# Altium PCB Inverter_540VDC_V2.PcbDoc (part 2 of 3)
Units mm, origin at the board's own origin, x right, y up, seen from the top; angles counter-clockwise.
Board outline 420 x 300 mm, 2 copper layers (Top Layer, Bottom Layer), stack 2.071 mm thick; 433 components, 189 nets, 1065 pads, 944 vias.
Unrouted connection lines stored in the file: 97.
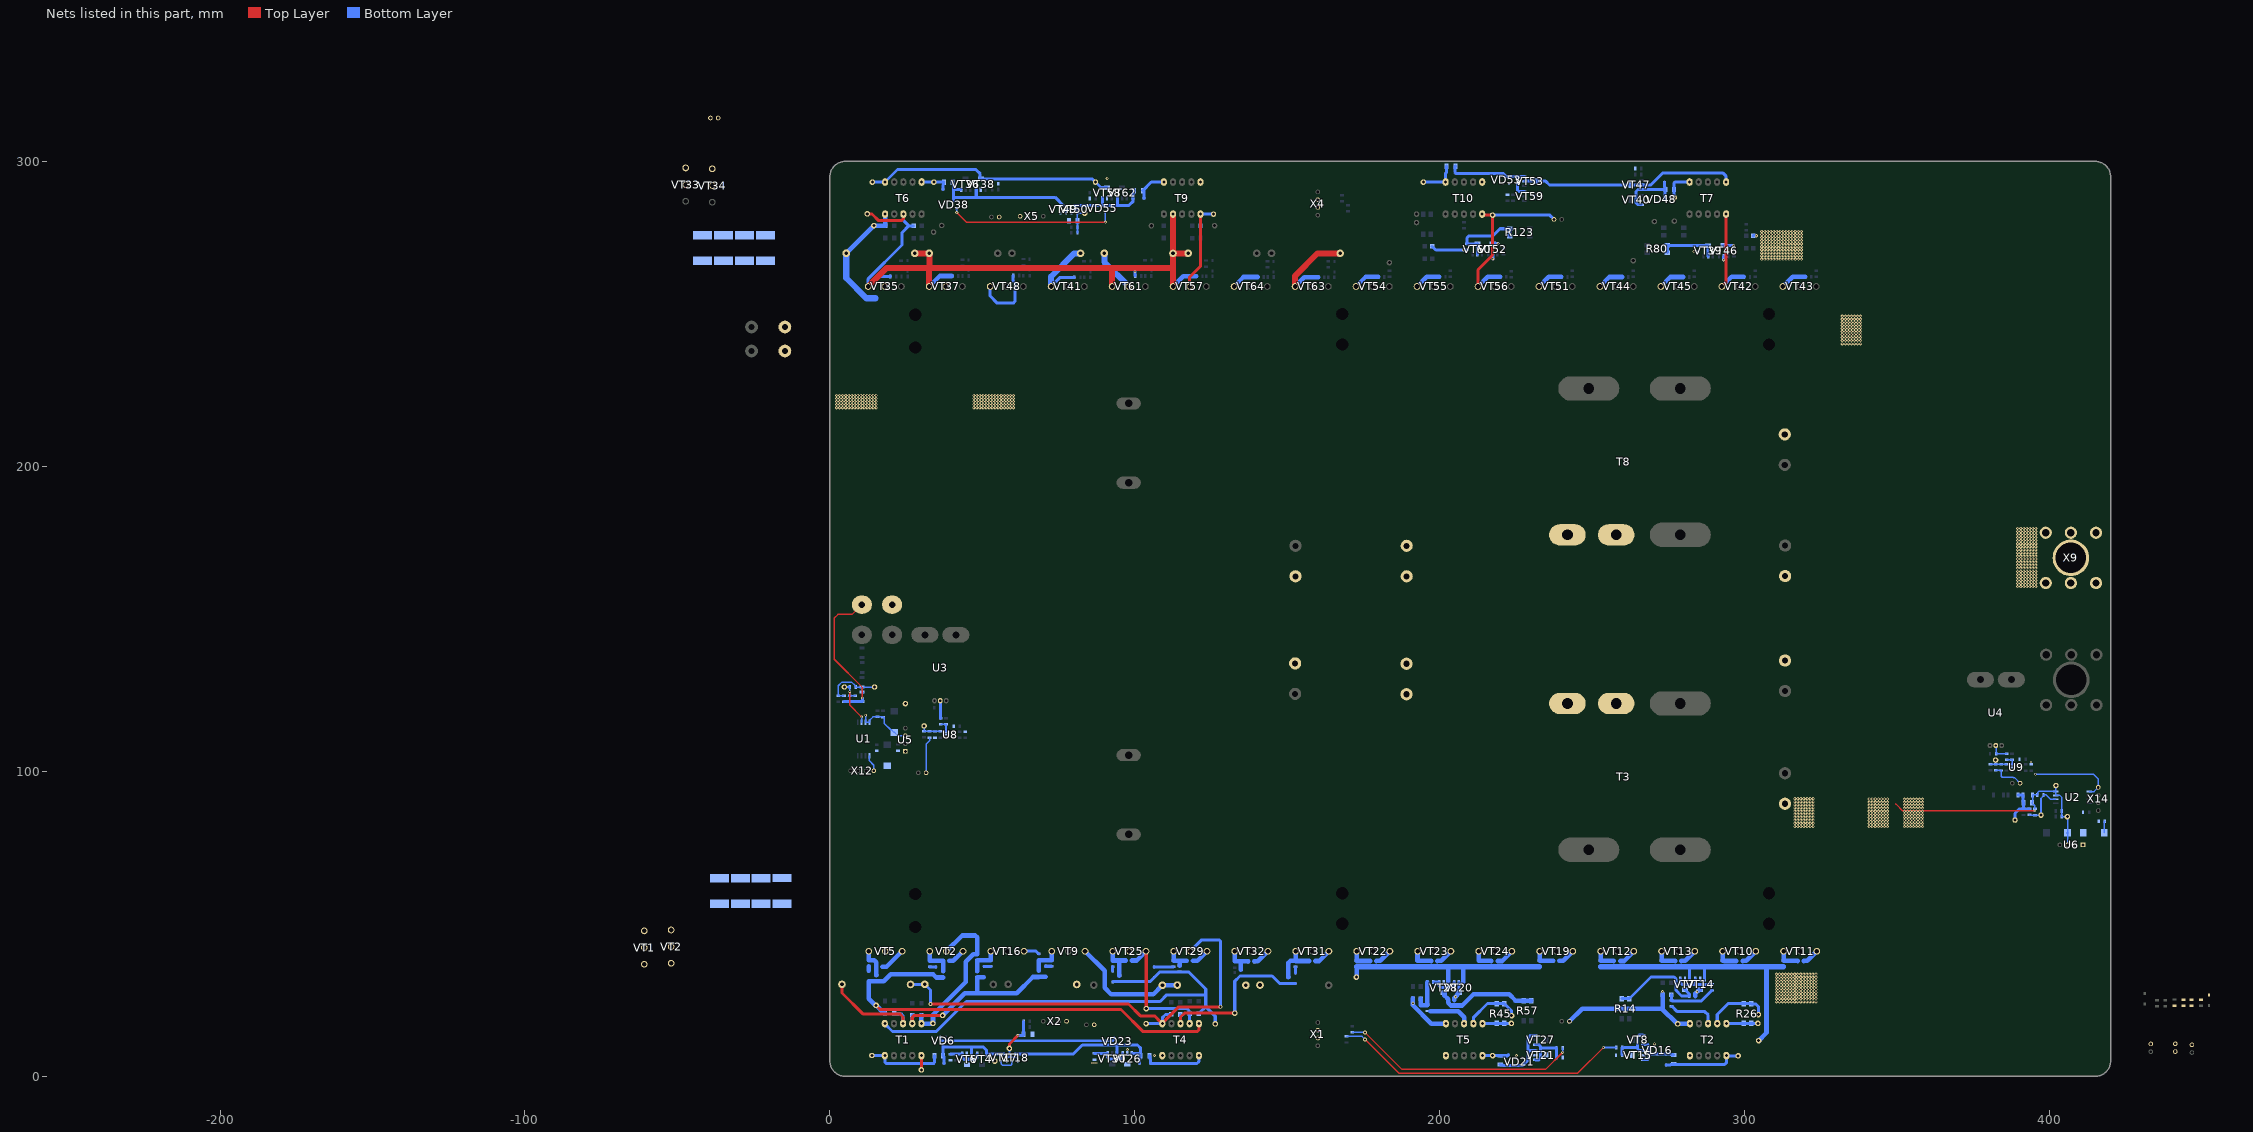
[diagram p2: the nets of this part, all layers, seen from the top]

## Via types
v1: diameter 1, hole 0.5, Top Layer to Bottom Layer, 869 vias
v2: diameter 1.8, hole 1, Top Layer to Bottom Layer, 41 vias
v3: diameter 1.27, hole 0.711, Top Layer to Bottom Layer, 18 vias
v4: diameter 0.8, hole 0.3, Top Layer to Bottom Layer, 10 vias
v5: diameter 0.7, hole 0.3, Top Layer to Bottom Layer, 5 vias
v6: diameter 0.8, hole 0.711, Top Layer to Bottom Layer, 1 vias

## Nets (pads, with @x,y where several pads share a name; then routed paths per layer and width w, separated by ;. In a path a pad name is that pad's centre, name@x,y a point inside that pad or via, vN(x,y) a via of type N, cw(c..) or ccw(c..) an arc to the next point about the centre after c; other vN are vias at no path point) (continued)
BAT_GND: C3.2 C4.2 C6.1 C15.1 C20.2 C21.2 C23.1 C32.1 C40.1 C42.2 C48.2 C60.1 C61.1 R30.1 R31.1 R32.1 R33.1 R37.2 R38.2 R39.2 R40.1 R96.1 R97.1 R98.1 R99.1 R103.2 R104.2 R105.2 R106.1 R149.1 R153.1 T2.5 T5.5 T7.5 T10.5 TP13.1 TP34.1 TP46.1 TP55.1 U2.3 U2.4 U6.3 VD18.2 VD20.2 VD50.2 VD52.2 VT10.3 VT11.3 VT12.3 VT13.3 VT14.2 VT19.3 VT20.2 VT22.3 VT23.3 VT24.3 VT42.3 VT43.3 VT44.3 VT45.3 VT46.2 VT51.3 VT52.2 VT54.3 VT55.3 VT56.3 X3.2 X6.2 X9.1 | length 366.7
  Top Layer w0.5: 349.581,89.284 351.864,87 353.338,87 356.338,87 v4(395.175,87)
  Top Layer w1: VT56.3@212.54,259 212.54,264.465 217.325,269.25 217.325,282.382 217.135,282.572 217.055,282.572 216.866,282.382 214.293,282.382 T10.5@213.925,282.75 ; VT42.3@292.54,259 293.925,260.385 T7.5@293.925,282.75
  Bottom Layer w0.5: v4(395.175,87) R149.1@395.175,87.65 395.175,88.8 394.875,89.1 394.625,89.1 394.225,89.5 C61.1@394.225,89.75 394.4,89.925 R153.1@394.4,92.25 394.425,92.275 C60.1@396,92.275 396.15,92.425 396.15,93.112 396.443,93.405 402.025,93.405 U2.4@402.075,93.355 ; TP55.1@402.075,95.875 TP55.1@402.075,95.322 U2.4@402.075,93.355 ; C48.2@403.875,85.332 C48.2@404.025,85.182 ; C42.2@405.875,79.8 405.875,85.05 v2(405.8,85.125) 405.799,85.126 404.073,85.126 C48.2@404.025,85.175 C48.2@404.025,85.182 ; U6.3@405.88,75.875 C42.2@405.88,79.795 ; U2.4@402.075,93.355 U2.3@402.075,92.085 403.39,92.085 404.025,91.45 C40.1@404.025,87.025 C48.2@404.025,85.182
  Bottom Layer w1: VD52.2@197.525,272.15 197.525,272.125 197.75,271.9 197.775,271.9 198.7,270.975 v1(207.725,270.975) C32.1@208.9,270.975 C32.1@208.879,270.954 ; VT20.2@206.25,27.35 VT20.2@206.25,30.85 ; TP34.1@217.033,282.592 217.425,282.2 TP34.1@217.447,282.222 ; v2(217.325,282.375) 236.085,282.375 X6.2@237.46,281 ; VT52.2@217.375,273.025 v1(219.125,273.025) ; v1(217.403,268.029) VT52.2@217.403,269.497 ; VT46.2@292.825,272.45 292.85,272.475 v1(296.375,272.475) ; v1(293.075,267.75) VT46.2@293.075,268.9 ; VD50.2@302.8,275.575 302.8,275.6 303.025,275.825 VD50.2@303.05,275.825 ; C42.2@405.875,79.8 C42.2@405.88,79.795
  Bottom Layer w1.5: VT54.3@172.54,259 175.665,262.125 R104.2@179.85,262.125 ; R38.2@179.225,37.8 179.251,37.826 180.486,37.826 VT22.3@183.66,41 ; VD20.2@191.125,25.603 191.125,23.375 197.25,17.25 T5.5@202,17.25 ; VT55.3@192.54,259 195.715,262.175 R105.2@199.875,262.175 ; R39.2@199.225,37.8 199.251,37.826 200.486,37.826 VT23.3@203.66,41 ; C15.1@204.775,25 204.775,25.65 v1(205.2,26.075) 205.75,26.625 VT20.2@205.75,26.85 ; VT56.3@212.54,259 215.715,262.175 R106.1@219.85,262.175 ; R40.1@218.95,37.8 220.46,37.8 VT24.3@223.66,41 ; VT51.3@232.54,259 235.69,262.15 R103.2@239.9,262.15 ; R37.2@239.2,37.85 240.51,37.85 VT19.3@243.66,41 ; X3.2@242.444,18.096 X3.2@242.54,18 246.69,22.15 269.725,22.15 ; VT44.3@252.54,259 255.64,262.1 R96.1@259.85,262.1 ; R30.1@259.125,37.8 260.46,37.8 VT12.3@263.66,41 ; 269.725,22.175 272.859,22.175 277.834,17.2 v2(278.05,17.2) ; VT45.3@272.54,259 275.64,262.1 R97.1@279.825,262.1 ; 273.1,22.35 VD18.2@273.1,26.825 ; TP13.1@277.9,17.431 TP13.1@278.05,17.281 ; TP13.1@278.1,17.25 T2.5@282,17.25 ; R31.1@279.2,37.8 279.214,37.814 280.474,37.814 VT13.3@283.66,41 ; C6.1@283.853,26.325 283.853,27.125 285.128,28.4 VT14.2@285.378,28.4 ; VT42.3@292.54,259 295.69,262.15 R98.1@299.75,262.15 ; R32.1@299.3,37.8 299.364,37.864 300.524,37.864 VT10.3@303.66,41 ; VT43.3@312.54,259 315.715,262.175 R99.1@319.8,262.175 ; R33.1@319.4,37.8 319.4,37.814 319.5,37.914 320.574,37.914 VT11.3@323.66,41
  other v1: 191.225,23.938 310.413,24.394 311.413,24.394 312.413,24.394 313.413,24.394 314.413,24.394 315.413,24.394 316.413,24.394 317.388,24.419 318.388,24.419 319.388,24.419 320.388,24.419 321.388,24.419 322.388,24.419 323.388,24.419 310.413,25.419 311.413,25.419 312.413,25.419 313.413,25.419 314.413,25.419 315.413,25.419 316.413,25.419 317.388,25.444 318.388,25.444 319.388,25.444 320.388,25.444 321.388,25.444 322.388,25.444 323.388,25.444 310.413,26.419 311.413,26.419 312.413,26.419 313.413,26.419 314.413,26.419 315.413,26.419 316.413,26.419 317.388,26.444 318.388,26.444 319.388,26.444 320.388,26.444 321.388,26.444 322.388,26.444 323.388,26.444 310.413,27.444 311.413,27.444 312.413,27.444 313.413,27.444 314.413,27.444 315.413,27.444 316.413,27.444 317.388,27.469 318.388,27.469 319.388,27.469 320.388,27.469 321.388,27.469 322.388,27.469 323.388,27.469 284.378,27.709 273.1,27.734 310.413,28.419 311.413,28.419 312.413,28.419 313.413,28.419 314.413,28.419 315.413,28.419 316.413,28.419 317.388,28.444 318.388,28.444 319.388,28.444 320.388,28.444 321.388,28.444 322.388,28.444 323.388,28.444 310.413,29.419 311.413,29.419 312.413,29.419 313.413,29.419 314.413,29.419 315.413,29.419 316.413,29.419 317.388,29.444 318.388,29.444 319.388,29.444 320.388,29.444 321.388,29.444 322.388,29.444 323.388,29.444 310.413,30.444 311.413,30.444 312.413,30.444 313.413,30.444 314.413,30.444 315.413,30.444 316.413,30.444 317.388,30.469 318.388,30.469 319.388,30.469 320.388,30.469 321.388,30.469 322.388,30.469 323.388,30.469 310.413,31.444 311.413,31.444 312.413,31.444 313.413,31.444 314.413,31.444 315.413,31.444 316.413,31.444 317.388,31.469 318.388,31.469 319.388,31.469 320.388,31.469 321.388,31.469 322.388,31.469 323.388,31.469 310.413,32.444 311.413,32.444 312.413,32.444 313.413,32.444 314.413,32.444 315.413,32.444 316.413,32.444 317.388,32.469 318.388,32.469 319.388,32.469 320.388,32.469 321.388,32.469 322.388,32.469 323.388,32.469 310.413,33.444 311.413,33.444 312.413,33.444 313.413,33.444 314.413,33.444 315.413,33.444 316.413,33.444 317.388,33.469 318.388,33.469 319.388,33.469 320.388,33.469 321.388,33.469 322.388,33.469 323.388,33.469 352.338,81.844 353.338,81.844 354.338,81.844 355.338,81.844 356.338,81.844 357.338,81.844 358.338,81.844 340.813,81.869 341.813,81.869 342.813,81.869 343.813,81.869 344.813,81.869 345.813,81.869 346.813,81.869 316.438,81.944 317.438,81.944 318.438,81.944 319.438,81.944 320.438,81.944 321.438,81.944 322.438,81.944 352.338,82.869 353.338,82.869 354.338,82.869 355.338,82.869 356.338,82.869 357.338,82.869 358.338,82.869 340.813,82.894 341.813,82.894 342.813,82.894 343.813,82.894 344.813,82.894 345.813,82.894 346.813,82.894 316.438,82.969 317.438,82.969 318.438,82.969 319.438,82.969 320.438,82.969 321.438,82.969 322.438,82.969 352.338,83.869 353.338,83.869 354.338,83.869 355.338,83.869 356.338,83.869 357.338,83.869 358.338,83.869 340.813,83.894 341.813,83.894 342.813,83.894 343.813,83.894 344.813,83.894 345.813,83.894 346.813,83.894 316.438,83.969 317.438,83.969 318.438,83.969 319.438,83.969 320.438,83.969 321.438,83.969 322.438,83.969 352.338,84.894 353.338,84.894 354.338,84.894 355.338,84.894 356.338,84.894 357.338,84.894 358.338,84.894 340.813,84.919 341.813,84.919 342.813,84.919 343.813,84.919 344.813,84.919 345.813,84.919 346.813,84.919 316.438,84.994 317.438,84.994 318.438,84.994 319.438,84.994 320.438,84.994 321.438,84.994 322.438,84.994 340.813,85.894 341.813,85.894 342.813,85.894 343.813,85.894 344.813,85.894 345.813,85.894 346.813,85.894 352.338,85.869 353.338,85.869 354.338,85.869 355.338,85.869 356.338,85.869 357.338,85.869 358.338,85.869 316.438,85.969 317.438,85.969 318.438,85.969 319.438,85.969 320.438,85.969 321.438,85.969 322.438,85.969 352.338,86.869 353.338,86.869 354.338,86.869 355.338,86.869 356.338,86.869 357.338,86.869 358.338,86.869 340.813,86.894 341.813,86.894 342.813,86.894 343.813,86.894 344.813,86.894 345.813,86.894 346.813,86.894 316.438,86.969 317.438,86.969 318.438,86.969 319.438,86.969 320.438,86.969 321.438,86.969 322.438,86.969 352.338,87.894 353.338,87.894 354.338,87.894 355.338,87.894 356.338,87.894 357.338,87.894 358.338,87.894 340.813,87.919 341.813,87.919 342.813,87.919 343.813,87.919 344.813,87.919 345.813,87.919 346.813,87.919 316.438,87.994 317.438,87.994 318.438,87.994 319.438,87.994 320.438,87.994 321.438,87.994 322.438,87.994 352.338,88.894 353.338,88.894 354.338,88.894 355.338,88.894 356.338,88.894 357.338,88.894 358.338,88.894 340.813,88.919 341.813,88.919 342.813,88.919 343.813,88.919 344.813,88.919 345.813,88.919 346.813,88.919 316.438,88.994 317.438,88.994 318.438,88.994 319.438,88.994 320.438,88.994 321.438,88.994 322.438,88.994 352.338,89.894 353.338,89.894 354.338,89.894 355.338,89.894 356.338,89.894 357.338,89.894 358.338,89.894 340.813,89.919 341.813,89.919 342.813,89.919 343.813,89.919 344.813,89.919 345.813,89.919 346.813,89.919 316.438,89.994 317.438,89.994 318.438,89.994 319.438,89.994 320.438,89.994 321.438,89.994 322.438,89.994 352.338,90.894 353.338,90.894 354.338,90.894 355.338,90.894 356.338,90.894 357.338,90.894 358.338,90.894 340.813,90.919 341.813,90.919 342.813,90.919 343.813,90.919 344.813,90.919 345.813,90.919 346.813,90.919 316.438,90.994 317.438,90.994 318.438,90.994 319.438,90.994 320.438,90.994 321.438,90.994 322.438,90.994 389.525,160.575 390.525,160.575 391.525,160.575 392.525,160.575 393.525,160.575 394.525,160.575 395.525,160.575 389.525,161.6 390.525,161.6 391.525,161.6 392.525,161.6 393.525,161.6 394.525,161.6 395.525,161.6 389.525,162.6 390.525,162.6 391.525,162.6 392.525,162.6 393.525,162.6 394.525,162.6 395.525,162.6 389.525,163.625 390.525,163.625 391.525,163.625 392.525,163.625 393.525,163.625 394.525,163.625 395.525,163.625 389.525,164.6 390.525,164.6 391.525,164.6 392.525,164.6 393.525,164.6 394.525,164.6 395.525,164.6 389.525,165.6 390.525,165.6 391.525,165.6 392.525,165.6 393.525,165.6 394.525,165.6 395.525,165.6 389.525,166.625 390.525,166.625 391.525,166.625 392.525,166.625 393.525,166.625 394.525,166.625 395.525,166.625 389.525,167.625 390.525,167.625 391.525,167.625 392.525,167.625 393.525,167.625 394.525,167.625 395.525,167.625 389.525,168.625 390.525,168.625 391.525,168.625 392.525,168.625 393.525,168.625 394.525,168.625 395.525,168.625 389.525,169.625 390.525,169.625 391.525,169.625 392.525,169.625 393.525,169.625 394.525,169.625 395.525,169.625 389.525,170.6 390.525,170.6 391.525,170.6 392.525,170.6 393.525,170.6 394.525,170.6 395.525,170.6 389.525,171.625 390.525,171.625 391.525,171.625 392.525,171.625 393.525,171.625 394.525,171.625 395.525,171.625 389.525,172.625 390.525,172.625 391.525,172.625 392.525,172.625 393.525,172.625 394.525,172.625 395.525,172.625 389.525,173.65 390.525,173.65 391.525,173.65 392.525,173.65 393.525,173.65 394.525,173.65 395.525,173.65 389.525,174.625 390.525,174.625 391.525,174.625 392.525,174.625 393.525,174.625 394.525,174.625 395.525,174.625 389.525,175.625 390.525,175.625 391.525,175.625 392.525,175.625 393.525,175.625 394.525,175.625 395.525,175.625 389.525,176.65 390.525,176.65 391.525,176.65 392.525,176.65 393.525,176.65 394.525,176.65 395.525,176.65 389.525,177.65 390.525,177.65 391.525,177.65 392.525,177.65 393.525,177.65 394.525,177.65 395.525,177.65 389.525,178.65 390.525,178.65 391.525,178.65 392.525,178.65 393.525,178.65 394.525,178.65 395.525,178.65 389.525,179.65 390.525,179.65 391.525,179.65 392.525,179.65 393.525,179.65 394.525,179.65 395.525,179.65 332,240.2 333,240.2 334,240.2 335,240.2 336,240.2 337,240.2 338,240.2 332,241.225 333,241.225 334,241.225 335,241.225 336,241.225 337,241.225 338,241.225 332,242.225 333,242.225 334,242.225 335,242.225 336,242.225 337,242.225 338,242.225 332,243.25 333,243.25 334,243.25 335,243.25 336,243.25 337,243.25 338,243.25 332,244.225 333,244.225 334,244.225 335,244.225 336,244.225 337,244.225 338,244.225 332,245.225 333,245.225 334,245.225 335,245.225 336,245.225 337,245.225 338,245.225 332,246.25 333,246.25 334,246.25 335,246.25 336,246.25 337,246.25 338,246.25 332,247.25 333,247.25 334,247.25 335,247.25 336,247.25 337,247.25 338,247.25 332,248.25 333,248.25 334,248.25 335,248.25 336,248.25 337,248.25 338,248.25 332,249.25 333,249.25 334,249.25 335,249.25 336,249.25 337,249.25 338,249.25 305.588,267.994 306.588,267.994 307.588,267.994 308.588,267.994 309.588,267.994 310.588,267.994 311.588,267.994 312.576,267.989 313.576,267.989 314.576,267.989 315.576,267.989 316.576,267.989 317.576,267.989 318.576,267.989 305.588,269.019 306.588,269.019 307.588,269.019 308.588,269.019 309.588,269.019 310.588,269.019 311.588,269.019 312.576,269.014 313.576,269.014 314.576,269.014 315.576,269.014 316.576,269.014 317.576,269.014 318.576,269.014 312.576,270.014 313.576,270.014 314.576,270.014 315.576,270.014 316.576,270.014 317.576,270.014 318.576,270.014 305.588,270.019 306.588,270.019 307.588,270.019 308.588,270.019 309.588,270.019 310.588,270.019 311.588,270.019 283.375,270.425 305.588,271.044 306.588,271.044 307.588,271.044 308.588,271.044 309.588,271.044 310.588,271.044 311.588,271.044 312.576,271.039 313.576,271.039 314.576,271.039 315.576,271.039 316.576,271.039 317.576,271.039 318.576,271.039 305.588,272.019 306.588,272.019 307.588,272.019 308.588,272.019 309.588,272.019 310.588,272.019 311.588,272.019 312.576,272.014 313.576,272.014 314.576,272.014 315.576,272.014 316.576,272.014 317.576,272.014 318.576,272.014 312.576,273.014 313.576,273.014 314.576,273.014 315.576,273.014 316.576,273.014 317.576,273.014 318.576,273.014 305.588,273.019 306.588,273.019 307.588,273.019 308.588,273.019 309.588,273.019 310.588,273.019 311.588,273.019 305.588,274.044 306.588,274.044 307.588,274.044 308.588,274.044 309.588,274.044 310.588,274.044 311.588,274.044 312.576,274.039 313.576,274.039 314.576,274.039 315.576,274.039 316.576,274.039 317.576,274.039 318.576,274.039 305.588,275.044 306.588,275.044 307.588,275.044 308.588,275.044 309.588,275.044 310.588,275.044 311.588,275.044 312.576,275.039 313.576,275.039 314.576,275.039 315.576,275.039 316.576,275.039 317.576,275.039 318.576,275.039 303.8,275.634 305.588,276.044 306.588,276.044 307.588,276.044 308.588,276.044 309.588,276.044 310.588,276.044 311.588,276.044 312.576,276.039 313.576,276.039 314.576,276.039 315.576,276.039 316.576,276.039 317.576,276.039 318.576,276.039 305.588,277.044 306.588,277.044 307.588,277.044 308.588,277.044 309.588,277.044 310.588,277.044 311.588,277.044 312.576,277.039 313.576,277.039 314.576,277.039 315.576,277.039 316.576,277.039 317.576,277.039 318.576,277.039
EMITTER_CHRG_1: C2.2 C19.2 C39.1 C41.2 C47.2 C58.1 C59.1 J2.1 R2.2 R3.1@-15.725,65 R4.1 R5.1 R6.1 R7.1@-21.175,267.45 R68.2 R148.1 R150.1 TP54.1 U1.3 U1.4 U5.3 VD2.3 VD34.3 VT1.3 VT2.3@-52.075,47.96 VT33.3 VT34.3 X11.1 X12.1@446.675,10.315 X13.1@433.2,10.59 | length 68.4
  Top Layer w0.5: J2.1@10.488,154.668 7.27,151.45 2.611,151.45 1.4,150.239 1.4,136.775 10.675,127.5 v4(10.675,124.05)
  Bottom Layer w0.5: v4(11.7,118.4) 11.685,118.385 U1.3@11.685,116.075 U1.4@12.955,116.075 13.005,116.125 13.005,116.73 14.1,117.825 C39.1@15.65,117.825 ; C39.1@15.625,117.8 C39.1@15.65,117.825 ; U5.3@24.725,111.62 22.33,111.62 21.2,112.75 C41.2@21.05,112.75 20.2,113.6 19.925,113.6 17.825,115.7 17.825,117.65 17.675,117.8 C47.2@17.45,117.8 17.425,117.825 C39.1@15.65,117.825
  Bottom Layer w1: C59.1@4.6,122.825 C58.1@6.5,122.825 R150.1@10.575,122.825 10.625,122.825 10.625,124 v4(10.675,124.05)
GND: C11.1 C28.1 C35.2 C36.2 C37.2 C38.2 C43.1 C44.2 C45.1 C46.2 C53.1 C54.1 C55.1 C56.1 C65.1 C66.1 R16.1 R27.1 R55.1 R59.1 R82.1 R93.2 R121.1 R125.1 R160.1 R161.1 R162.1 R163.1 T1.10 T2.6 T4.6 T5.6 T6.10 T7.6 T9.6 T10.6 TP11.1 TP12.1 TP32.1 TP33.1 U1.5 U2.5 U3.2 U4.2 U5.1 U6.1 U8.2 U9.2 VD6.1 VD16.1 VD21.1 VD23.1 VD38.1 VD48.1 VD53.1 VD55.1 VT6.2 VT15.2 VT17.2 VT18.2 VT21.2 VT26.2 VT38.2 VT47.2 VT49.2 VT50.2 VT53.2 VT58.2 X1.2 X1.3 X2.4 X4.2 X4.3 X5.4 X7.2 X10.2 X12.1@14.415,100.15 X13.2@31.54,99.5 X14.4 X15.2 | length 344.8
  Top Layer w0.5: T1.10@30,6.75 T1.10@30.025,6.725 ; v1(41.6,283.225) 44.7,280.125 v1(90.35,280.125)
  Top Layer w1: v2(30.025,2.05) T1.10@30.025,6.725
  Bottom Layer w0.5: U1.5@12.955,105.175 12.955,103.445 14.415,101.985 X12.1@14.415,100.15 ; X13.2@31.54,99.5 31.54,108.865 32.669,109.994 R160.1@32.669,111.075 ; VD38.1@41.55,284.625 41.573,284.602 41.573,283.252 v1(41.6,283.225) ; VT17.2@56.075,4.875 56.125,4.825 56.125,4.125 56.7,3.55 59.382,3.55 59.675,3.843 59.675,4.825 VT18.2@59.725,4.875 ; VD55.1@90.325,283.375 90.325,280.15 v1(90.35,280.125) ; R161.1@382.325,100.3 382.35,100.275 C66.1@384.125,100.275 384.125,98.35 384.45,98.025 387.939,98.025 388.039,97.925 388.49,97.925 X15.2@390.315,96.1 ; U4.2@382.35,108.471 382.45,108.371 C45.1@382.45,105.775 C54.1@385.925,105.775 ; v5@395.15,99.225 v5@395.35,99.225 ; v5(395.35,99.05) 414.35,99.05 415.95,97.45 X14.4@415.95,94.73 414.575,93.355 U2.5@412.975,93.355
  Bottom Layer w0.8: VD6.1@36.2,12.8 36.2,12.069 36.669,11.6 92.756,11.6 93.225,12.069 VD23.1@93.225,12.625
  Bottom Layer w1: v2(13.9,293.25) T6.10@18.1,293.25 22.2,297.35 47.875,297.35 49.289,295.936 49.289,294.486 VT38.2@49.5,294.275 86.075,294.275 88.925,291.425 VT58.2@90.875,291.425 ; U3.2@36.2,123.171 36.275,123.096 C43.1@36.275,120.85 36.275,117.45 C53.1@36.325,117.4 ; VT53.2@227.75,293.554 VT53.2@231.25,293.554 234.746,293.554 235.992,292.308 VT47.2@262.65,292.308 265.4,292.308 265.442,292.35 269.3,292.35 273.2,296.25 292.775,296.25 293.925,295.1 T7.6@293.925,293.25
  other v1: 225.1,6.775 106.384,6.818 230.3,6.925 265.65,6.925 97.534,8.718 270.425,10.625 90.934,294.418
  other v2: 54.125,4.975 87.1,293.25
  other v5: 86.05,4.4 86.725,4.4 87.425,4.4 393.925,103.1
GND_HV_C1: C5.1 C7.2 C13.1 C16.2 R3.2@-15.725,56.6 R4.2@-29.375,56.525 R5.2@-36.2,56.525 R6.2@-22.55,56.575 R8.2 R12.2 R42.2 R47.2 T1.3 T4.2 TP15.1 VD9.2 VD28.2 VT1.2 VT2.2@-52.075,42.5 VT2.3@43.66,41 VT5.3 VT25.3 VT29.3 X11.2@441.225,10.625 | length 98
  Top Layer w1: C13.1@3.95,30.15 3.95,27.325 10.8,20.475 22.95,20.475 24,19.425 T1.3@24,17.25 ; VT25.3@103.6,40.94 VT25.3@103.66,41 103.75,40.91 v2(103.75,22.164) ; C5.1@136.425,29.85 C5.1@136.5,29.775
  Bottom Layer w0.5: C5.1@136.425,29.85 C5.1@136.475,29.9
  Bottom Layer w1: VD9.2@20.994,20.475 23.414,20.475 24,19.889 T1.3@24,17.25 ; v2(103.75,22.164) 117.164,22.164 117.75,21.578 117.75,20.75 VD28.2@117.975,20.525 ; T4.2@118,17.25 VD28.2@118,20.525
  Bottom Layer w1.5: R12.2@17.25,35.9 18.56,35.9 VT5.3@23.66,41 ; R8.2@39.175,37.85 40.51,37.85 VT2.3@43.66,41 ; R42.2@99.075,37.95 100.61,37.95 VT25.3@103.66,41 ; R47.2@119.075,37.875 120.535,37.875 VT29.3@123.66,41
GND_HV_C2: C22.1 C24.2 C30.1 C33.2 R4.2@-41.75,275.825 R5.2@-34.875,275.825 R6.2@-28.05,275.825 R7.2@-21.175,275.85 R74.2 R78.2 R108.2 R113.2 T6.3 T9.2 TP24.1 VD41.2 VD60.2 VT33.2 VT34.2 VT35.3 VT37.3 VT57.3 VT61.3 X11.2@-36.65,314.25 | length 230.7
  Top Layer w1: v2(12.25,282.775) 13.825,282.775 16.025,280.575 23.514,280.575 24.1,281.161 T6.3@24.1,282.75
  Top Layer w2: VT35.3@12.54,259 18.64,265.1 32.675,265.1 ; C22.1@27.85,269.85 32.5,269.85 C24.2@32.55,269.9 32.675,269.775 32.675,265.1 ; VT37.3@32.54,259 32.54,264.965 32.675,265.1 ; VT61.3@92.54,259 92.54,264.785 92.225,265.1 ; 111.954,265.1 92.225,265.1 ; T9.2@112.525,282.75 C30.1@112.525,269.85 ; VT57.3@112.54,259 112.54,269.835 C30.1@112.525,269.85 ; C33.2@117.475,269.9 117.425,269.85 C30.1@112.525,269.85 ; 32.675,265.1 92.225,265.1
  Bottom Layer w1: R74.2@19.787,262.338 R74.2@19.8,262.35 ; R74.2@19.825,262.3 15.84,262.3 VT35.3@12.54,259 12.54,261.49 23.675,272.625 23.675,276.675 ; 23.679,276.675 25.889,278.886 ; T6.3@24.1,282.75 24.1,280.675 25.889,278.886 ; VD41.2@27.475,278.875 27.464,278.886 25.889,278.886 ; C22.1@27.85,269.85 C22.1@27.9,269.8 ; v4(100.05,263.875) 100.05,262.5 R113.2@100.075,262.475 ; VD60.2@112.5,278.9 112.5,282.725 T9.2@112.525,282.75
  Bottom Layer w1.5: VT37.3@32.54,259 35.965,262.425 R78.2@39.975,262.425 ; VT57.3@112.54,259 115.865,262.325 R108.2@120.2,262.325
  other v1: 2.2,219.225 3.2,219.225 4.2,219.225 5.2,219.225 6.2,219.225 7.2,219.225 8.2,219.225 9.188,219.22 10.188,219.22 11.188,219.22 12.188,219.22 13.188,219.22 14.188,219.22 15.188,219.22 47.212,219.23 48.212,219.23 49.212,219.23 50.212,219.23 51.212,219.23 52.212,219.23 53.212,219.23 54.2,219.225 55.2,219.225 56.2,219.225 57.2,219.225 58.2,219.225 59.2,219.225 60.2,219.225 2.2,220.25 3.2,220.25 4.2,220.25 5.2,220.25 6.2,220.25 7.2,220.25 8.2,220.25 9.188,220.245 10.188,220.245 11.188,220.245 12.188,220.245 13.188,220.245 14.188,220.245 15.188,220.245 47.212,220.255 48.212,220.255 49.212,220.255 50.212,220.255 51.212,220.255 52.212,220.255 53.212,220.255 54.2,220.25 55.2,220.25 56.2,220.25 57.2,220.25 58.2,220.25 59.2,220.25 60.2,220.25 2.2,221.25 3.2,221.25 4.2,221.25 5.2,221.25 6.2,221.25 7.2,221.25 8.2,221.25 9.188,221.245 10.188,221.245 11.188,221.245 12.188,221.245 13.188,221.245 14.188,221.245 15.188,221.245 54.2,221.25 55.2,221.25 56.2,221.25 57.2,221.25 58.2,221.25 59.2,221.25 60.2,221.25 47.212,221.255 48.212,221.255 49.212,221.255 50.212,221.255 51.212,221.255 52.212,221.255 53.212,221.255 2.2,222.25 3.2,222.25 4.2,222.25 5.2,222.25 6.2,222.25 7.2,222.25 8.2,222.25 9.188,222.245 10.188,222.245 11.188,222.245 12.188,222.245 13.188,222.245 14.188,222.245 15.188,222.245 47.212,222.28 48.212,222.28 49.212,222.28 50.212,222.28 51.212,222.28 52.212,222.28 53.212,222.28 54.2,222.275 55.2,222.275 56.2,222.275 57.2,222.275 58.2,222.275 59.2,222.275 60.2,222.275 2.2,223.25 3.2,223.25 4.2,223.25 5.2,223.25 6.2,223.25 7.2,223.25 8.2,223.25 9.188,223.245 10.188,223.245 11.188,223.245 12.188,223.245 13.188,223.245 14.188,223.245 15.188,223.245 47.212,223.255 48.212,223.255 49.212,223.255 50.212,223.255 51.212,223.255 52.212,223.255 53.212,223.255 54.2,223.25 55.2,223.25 56.2,223.25 57.2,223.25 58.2,223.25 59.2,223.25 60.2,223.25
NetC1_2: C1.2 C2.1
NetC5_2: C5.2 C9.1 R22.2 R29.2 T1.1 T3.4 TP10.1 VD13.2 VT2.2@38.2,41 VT5.2 VT9.3 VT16.3 | length 99.7
  Bottom Layer w0.5: C5.2@113.875,29.85 C5.2@113.925,29.9
  Bottom Layer w1: VT16.3@63.66,41 67.6,41 R22.2@68.5,40.1
  Bottom Layer w1.5: VD13.2@30,19.925 T1.1@30,17.25 33.644,17.25 33.719,17.325 v2(33.8,17.325) 33.8,20.15 44.55,30.9 44.55,37.55 47.05,40.05 R29.2@48.275,40.05 48.275,45.564 47.689,46.15 43.35,46.15 VT2.2@38.2,41 ; VT9.3@83.66,41 90.125,34.535 90.125,29.025 92.325,26.825 106.025,26.825 C9.1@109.05,29.85 ; C9.1@109.1,29.85 C5.2@113.875,29.85
NetC6_2: C6.2 R14.2 VT7.2 | length 32
  Bottom Layer w1: R14.2@259.725,25.425 R14.2@262.175,25.425 262.175,25.6 262.4,25.825 262.575,25.825 269.275,32.525 276.864,32.525 277.45,31.939 277.45,28.153 279.278,26.325 281.853,26.325 281.853,26.975 VT7.2@280.928,27.9 ; VT7.2@280.343,28.486 VT7.2@280.428,28.4
NetC8_1: C8.1 VD6.3 VD10.1 VT4.3 VT6.3 VT17.3 | length 30.1
  Bottom Layer w0.5: C8.1@37.1,6.725 C8.1@37.4,6.425 ; VD6.3@37.1,10.35 VD6.3@37.15,10.4
  Bottom Layer w1: C8.1@37.1,6.725 37.1,9.297 ; VD6.3@37.1,10.35 37.1,9.297 ; VD10.1@37.4,4.125 C8.1@37.4,6.425 ; VT6.3@46.397,7.55 46.397,9.447 46.475,9.525 ; VT17.3@57.025,7.275 57,7.3 VT4.3@51.322,7.3 51.322,8.6 50.397,9.525 46.397,9.525 37.328,9.525 37.1,9.297
NetC8_2: C8.2 T1.6 TP2.1 VD10.2 | length 25.2
  Bottom Layer w0.5: T1.6@17.95,6.8 T1.6@18,6.75
  Bottom Layer w1: v2(13.775,6.8) T1.6@17.95,6.8 ; T1.6@18,6.75 18,4.711 18.586,4.125 VD10.2@33.9,4.125 34.25,4.475 C8.2@34.25,6.725
NetC10_1: C10.1 T2.10 TP4.1 VD14.2 | length 26.5
  Bottom Layer w1: VD14.2@274.15,3.75 275.739,3.75 275.889,3.9 276.575,3.9 C10.1@276.725,4.05 276.875,3.9 277.647,3.9 277.711,3.836 293.414,3.836 294,4.422 T2.10@294,6.75 294.05,6.7 v2(297.85,6.7)
NetC10_2: C10.2 VD14.1 VD16.3 VT8.3 VT15.3 | length 16.5
  Bottom Layer w1: VT15.3@266.7,5.425 268.064,5.425 268.65,6.011 268.65,7.25 ; VT8.3@266.7,10.45 268.064,10.45 268.65,9.864 268.65,7.25 ; C10.2@276.725,6.9 276.575,7.05 275.939,7.05 275.739,7.25 VD14.1@274.15,7.25 270.9,7.25 268.65,7.25
NetC11_2: C11.2 R34.2 R36.2 TP8.1 VT17.1 VT18.1 | length 20.6
  Top Layer w1: v2(58.875,9.125) 58.875,10.6 v4(61.675,13.4)
  Bottom Layer w0.5: VT17.1@57.975,4.875 57.975,5.907 58.268,6.2 58.9,6.2 ; v2(58.875,9.125) 58.9,9.1 58.9,6.2 ; VT18.1@61.625,4.875 61.575,4.925 61.575,5.65 61.025,6.2 58.9,6.2 ; R36.2@63.525,18.025 R36.2@63.55,18
  Bottom Layer w1: v4(61.675,13.4) 63.4,13.4 63.55,13.55 R34.2@63.55,16.1 R36.2@63.55,18
NetC12_1: C12.1 VD21.3 VD25.1 VT21.3 VT27.3 | length 22.4
  Bottom Layer w1: C12.1@219.825,3.875 219.975,3.725 220.611,3.725 220.811,3.525 VD25.1@222.55,3.525 227.2,3.525 229,5.325 229,8.425 ; VT21.3@231.375,8.425 229,8.425 ; VT27.3@231.375,13.4 229.875,13.4 229,12.525 229,8.425
NetC12_2: C12.2 T5.10 TP17.1 VD25.2 | length 8.7
  Bottom Layer w1: T5.10@214,6.75 219.8,6.75 C12.2@219.825,6.725 222.25,6.725 VD25.2@222.55,7.025
  other v2: 217.323,6.75
NetC13_2: C13.2 C17.1 R60.2 R62.2 T3.5 T4.5 TP20.1 VD31.2 VT25.2 VT29.2 VT31.3 VT32.3 | length 167.2
  Top Layer w1: v3(32.975,23.675) 97.95,23.675 101.8,19.825 106.425,19.825 108.5,17.75 T4.5@109,17.25 ; T4.5@109,17.365 114.41,22.775 v3(128.1,22.775)
  Bottom Layer w1: C13.2@26.5,30.15 C17.1@31.1,30.15 32.975,28.275 v3(32.975,23.675) ; v2(103.725,17.225) 103.75,17.25 T4.5@109,17.25 109,19.225 110.05,20.275 VD31.2@111.925,20.275 ; VT29.2@118.2,41 121.95,44.75 127.564,44.75 128.15,44.164 128.15,22.825 v3(128.1,22.775)
  Bottom Layer w1.5: R62.2@139.225,37.675 140.335,37.675 VT32.3@143.66,41 ; R60.2@159.225,37.8 160.46,37.8 VT31.3@163.66,41
NetC14_1: C14.1 T4.10 VD27.2 | length 20.9
  Bottom Layer w1: C14.1@104.8,6.75 C14.1@104.75,6.7 104.9,6.55 104.9,5.914 105.1,5.714 VD27.2@105.1,4.175 120.414,4.175 121,4.761 T4.10@121,6.75
NetC14_2: C14.2 VD23.3 VD27.1 VT18.3 VT26.3 VT30.3 | length 53.7
  Bottom Layer w1: VT18.3@60.675,7.275 79.825,7.275 82.775,10.225 94.1,10.225 VD23.3@94.175,10.225 100.875,10.225 101.9,9.2 C14.2@101.9,6.95 ; VT30.3@94.1,7.5 VD23.3@94.1,10.089 ; VT26.3@99.025,7.475 101.125,7.475 101.5,7.1 101.75,7.1 C14.2@101.9,6.95 ; VD27.1@101.6,4.175 101.6,5.714 101.75,5.864 101.75,6.55 C14.2@101.9,6.7 C14.2@101.9,6.95
NetC15_2: C15.2 R57.2 VT28.2 | length 34
  Bottom Layer w1.5: VT28.2@201.3,27.35 201.55,27.35 201.55,26.47 202.775,25.245 202.775,24.079 203.654,23.2 207.425,23.2 211.075,26.85 222.8,26.85 224.825,24.825 R57.2@227.575,24.825 R57.2@230.025,24.825
NetC18_2: C18.2 C19.1
NetC22_2: C22.2 C26.1 R87.2 R95.2 T6.1 T8.4 TP31.1 VD45.2 VT35.2 VT37.2 VT41.3 VT48.3 | length 87
  Bottom Layer w1: VT48.3@52.54,259 52.54,255.86 54.875,253.525 60.139,253.525 60.725,254.111 60.725,260.15 60.1,260.775 R95.2@60.1,262.55 ; VT41.3@72.54,259 75.54,262 R87.2@80.175,262
  Bottom Layer w1.5: C22.2@5.35,269.9 v2(14.425,278.975) 18.1,278.975 T6.1@18.1,282.75
  Bottom Layer w2: C22.2@5.35,269.9 5.35,261.775 11.975,255.15 14.975,255.15 ; VT41.3@72.54,259 72.54,262.265 80.125,269.85 C26.1@82.2,269.85
NetC23_2: C23.2 R80.2 VT39.2 | length 19.4
  Bottom Layer w1: R80.2@274.625,270.075 R80.2@274.625,272.525 274.75,272.4 VT39.2@288,272.4 VT39.2@288,268.9
NetC25_1: C25.1 VD38.3 VD42.1 VT36.3 VT38.3 VT49.3 | length 48.4
  Bottom Layer w1: C25.1@40.275,293.225 40.425,293.075 40.425,292.414 40.6,292.239 VD42.1@40.6,290.75 40.6,288.225 ; VD38.3@40.6,287.025 40.6,288.225 ; VD42.1@40.625,290.775 VT36.3@43.025,290.775 ; VT38.3@48,290.775 48,288.425 47.8,288.225 ; VT49.3@76.55,285.55 73.875,288.225 47.8,288.225 ; 40.6,288.225 47.8,288.225
NetC25_2: C25.2 T6.6 TP23.1 VD42.2 | length 9.9
  Bottom Layer w1: T6.6@30.1,293.25 v2(34.078,293.25) 37.4,293.25 C25.2@37.425,293.225 37.275,293.075 37.275,292.414 37.1,292.239 VD42.2@37.1,290.75
NetC27_1: C27.1 T7.10 TP29.1 VD46.2 | length 10
  Bottom Layer w1: v2(276.875,288.175) 276.825,288.225 C27.1@276.825,290.8 276.825,292.9 VD46.2@277.175,293.25 T7.10@281.925,293.25
NetC27_2: C27.2 VD46.1 VD48.3 VT40.3 VT47.3 | length 21.1
  Bottom Layer w1: VT40.3@266.175,285.858 264.936,285.858 264.35,286.444 264.35,290.125 265.033,290.808 VT47.3@266.15,290.808 273.825,290.808 273.9,290.733 VD48.3@273.9,287.6 ; VD46.1@273.675,293.25 273.675,291.786 273.825,291.636 C27.2@273.825,290.95
NetC28_2: C28.2 R101.2 R102.2 TP30.1 VT49.1 VT50.1 | length 14.6
  Bottom Layer w0.5: VT49.1@77.5,283.15 77.5,284.032 77.793,284.325 80.8,284.325 81.12,284.005 81.12,283.205 VT50.1@81.15,283.175 VT50.1@81.15,283.075 ; R102.2@81.196,278.821 R102.2@81.196,278.425 81.196,276.603 R101.2@81.2,276.6 ; R102.2@81.2,278.821 C28.2@81.2,280.6 81.15,280.65 VT50.1@81.15,283.075 ; v2(83.55,283.025) 81.2,283.025 VT50.1@81.15,283.075
NetC29_1: C29.1 VD53.3 VD57.1 VT53.3 VT59.3 | length 32.3
  Bottom Layer w1: C29.1@205.1,298.425 204.957,298.282 204.957,296.468 VD57.1@205.4,296.025 220.879,296.025 221.85,295.054 225.425,295.054 ; VT59.3@227.725,290.129 226.011,290.129 225.425,290.715 225.425,295.054 ; VT53.3@227.75,295.054 225.425,295.054
NetC29_2: C29.2 T10.10 TP37.1 VD57.2 | length 12.6
  Bottom Layer w1: v2(194.625,293.25) T10.10@201.925,293.25 VD57.2@201.925,296.025 ; VD57.2@201.9,296.025 202.25,296.375 C29.2@202.25,298.425
NetC30_2: C30.2 C34.1 R126.2 R128.2 T8.5 T9.5 TP42.1 VD63.2 VT57.2 VT61.2 VT63.3 VT64.3 | length 86.7
  Top Layer w1: VT57.2@118,259 118,262.075 121.525,265.6 T9.5@121.525,282.75
  Top Layer w2: VT63.3@152.54,259 152.54,262.49 159.9,269.85 C34.1@167.325,269.85
  Bottom Layer w1: VD63.2@121.525,278.9 T9.5@121.525,282.75 121.575,282.7 v2(125.8,282.7)
  Bottom Layer w1.5: VT64.3@132.54,259 135.64,262.1 R128.2@140.225,262.1 ; VT63.3@152.575,259.025 155.575,262.025 R126.2@160.175,262.025
  Bottom Layer w2: C30.2@90.025,269.9 90.025,266.975 VT61.2@98,259
NetC31_1: C31.1 T9.10 VD59.2 | length 10.6
  Bottom Layer w1: C31.1@102.6,290.425 105.425,293.25 T9.10@109.525,293.25 ; VD59.2@102.95,287.925 C31.1@102.95,290.425
NetC31_2: C31.2 VD55.3 VD59.1 VT50.3 VT58.3 VT62.3 | length 27.7
  Bottom Layer w1: VT50.3@80.2,285.55 89.375,285.55 94.1,285.55 ; VD55.3@89.375,286.136 VT58.3@89.375,287.925 ; VT62.3@94.325,287.925 94.325,285.775 94.1,285.55 ; C31.2@99.75,290.425 99.6,290.275 99.6,289.589 99.45,289.439 99.45,286.95 98.05,285.55 94.1,285.55
NetC32_2: C32.2 R123.2 VT60.2 | length 26.6
  Bottom Layer w1: VT60.2@212.325,269.525 VT60.2@212.325,273.025 212.275,272.975 C32.2@208.9,272.975 208.9,274.939 209.486,275.525 217.375,275.525 219.775,277.925 R123.2@222.95,277.925 R123.2@222.95,275.475
NetC37_1: C37.1 C38.1 | length 3.9
  Bottom Layer w0.5: C38.1@417.95,79.8 417.95,83.525 C37.1@418.05,83.625
NetC53_2: C53.2 R137.2 U8.3 | length 4.2
  Bottom Layer w0.5: C53.2@36.325,115.4 R137.2@38.075,115.4 38.075,112.994 U8.3@38.094,112.975
NetC54_2: C54.2 R138.2 U9.3 | length 3.3
  Bottom Layer w0.5: C54.2@385.925,103.775 R138.2@387.675,103.775 ; U9.3@387.7,102.2 R138.2@387.7,103.75
NetC58_2: C58.2 R146.2 R148.2 TP48.1 U1.2 | length 18.7
  Top Layer w0.5: v4(6.5,126.125) 6.5,121.725 v4(10.4,117.825)
  Bottom Layer w0.5: TP48.1@4.725,127.65 4.726,127.649 6.477,127.649 R146.2@6.5,127.625 v4(6.5,126.125) C58.2@6.5,124.825 ; C58.2@5.95,124.675 6.35,124.675 C58.2@6.5,124.825 ; R148.2@8.3,124.825 C58.2@6.5,124.825 ; v4(10.4,117.825) 10.408,117.817 10.408,116.083 U1.2@10.415,116.075
NetC59_2: C59.2 R139.1 R142.1 R146.1 R150.2 TP50.1 | length 20.6
  Bottom Layer w0.5: C59.2@4.6,124.825 3.175,124.825 2.775,124.825 R142.1@2.75,124.8 2.75,128.025 4,129.275 7.1,129.275 8.35,128.025 8.35,127.775 R146.1@8.5,127.625 R139.1@10.575,127.625 ; R150.2@11.125,125.775 10.825,125.775 R150.2@10.575,126.025 R139.1@10.575,127.625 ; TP50.1@14.65,127.65 14.625,127.625 R139.1@10.575,127.625
NetC60_2: C60.2 R147.2 R149.2 TP49.1 U2.2 | length 15.6
  Bottom Layer w0.5: R147.2@393.35,85.7 393.4,85.65 R149.2@395.175,85.65 395.199,85.626 397.174,85.626 TP49.1@397.175,85.625 397.175,91.111 397.85,91.786 397.85,91.9 397.887,91.936 398,91.936 C60.2@398,92.275 398.007,92.268 398.857,92.268 400.31,90.815 U2.2@402.075,90.815
NetC61_2: C61.2 R140.1 R143.1 R147.1 R153.2 TP51.1 | length 13.7
  Bottom Layer w1: TP51.1@388.65,84.025 388.65,86.225 390.1,87.675 R143.1@391.4,87.675 ; R140.1@389.6,92.25 R153.2@391.2,92.25 391.2,90.175 391.4,89.975 391.4,87.7 R147.1@393.35,87.7
NetC65_2: C65.2 R151.2 R152.1 R160.2 TP52.1 | length 7.1
  Bottom Layer w0.5: TP52.1@30.9,114.875 30.897,114.872 30.897,113.103 R152.1@30.894,113.1 30.919,113.075 R160.2@32.669,113.075 R151.2@36.219,113.075
NetC66_2: C66.2 R154.2 R155.1 R161.2 TP53.1 | length 6.7
  Bottom Layer w0.5: R155.1@380.6,102.275 C66.2@384.125,102.275 R154.2@385.9,102.275 ; TP53.1@382.3,103.7 382.313,103.687 382.313,102.313 R161.2@382.325,102.3
NetR1_2: R1.2 R2.1 R3.2@446.55,25.125 VT1.1 VT2.1@-52.075,37.04
NetR3_1: R3.1@446.55,23.125 VD1.2
NetR7_1: R7.1@37.15,32.375 R11.1 T4.1 TP1.1 VD5.1 VD7.2 VD8.1 | length 150.4
  Top Layer w1: v2(15.15,23.225) 16.475,21.9 95.45,21.9 102.75,14.6 120.414,14.6 121,15.186 T4.1@121,17.25
  Bottom Layer w1.5: TP1.1@15.075,23.15 12.75,25.475 VD8.1@12.75,31.1 R11.1@15.25,31.1 17.7,31.1 20,33.4 33.825,33.4 VD5.1@34.85,32.375 R7.1@37.15,32.375 ; v2(15.15,23.225) 17.7,20.675 VD7.2@18.075,20.675
NetR7_2: R7.2@37.15,34.375 R8.1 R9.2 VT2.1@32.74,41 | length 11.1
  Bottom Layer w1.5: VT2.1@32.74,41 32.725,40.985 R9.2@32.725,37.875 32.75,37.85 R8.1@37.175,37.85 37.15,37.825 R7.2@37.15,34.375
NetR9_1: R9.1 VD5.2 | length 2.1
  Bottom Layer w1: R9.1@32.725,35.875 VD5.2@34.85,35.875
NetR10_2: R10.2 R16.2 VT4.1 VT6.1 | length 11.5
  Bottom Layer w1: R16.2@39.5,7.275 41.322,7.275 43.347,7.275 VT6.1@43.372,7.3 43.427,7.245 43.427,6.161 44.013,5.575 47.711,5.575 48.297,6.161 VT4.1@48.297,7.3
NetR11_2: R11.2 R12.1 R13.2 VT5.1 | length 10
  Bottom Layer w1.5: VT5.1@12.74,41 12.75,40.99 R13.2@12.75,38.1 14.55,38.1 15.25,37.4 R12.1@15.25,35.9 R11.2@15.25,33.1
NetR13_1: R13.1 VD8.2 | length 1.5
  Bottom Layer w1.5: VD8.2@12.75,34.6 R13.1@12.75,36.1
NetR15_1: R15.1 R28.1 T1.2 TP9.1 VD11.2 VD12.1 VD17.1 | length 61.9
  Top Layer w1: T1.2@27,17.25 27,19.389 27.586,19.975 36.925,19.975 v2(36.975,19.925)
  Bottom Layer w1: T1.2@27,17.25 27,19.9 VD11.2@27.05,19.95 VD11.2@27.275,20.175
  Bottom Layer w1.5: v2(36.975,19.925) 44.225,27.175 48.275,27.175 ; VD17.1@50.5,32.475 48.325,32.475 R28.1@48.275,32.425 48.275,27.175 ; R15.1@68.475,32.55 66.6,32.55 61.225,27.175 48.275,27.175 ; R15.1@68.475,32.575 VD12.1@70.7,32.575
NetR15_2: R15.2 R21.2 R22.1 VT9.1 | length 10.7
  Bottom Layer w1.5: R15.2@68.475,34.55 68.475,38.075 R22.1@68.5,38.1 72.7,38.1 R21.2@72.725,38.075 72.725,40.985 VT9.1@72.74,41
NetR17_1: R17.1 R30.2 VT12.1 | length 7.5
  Bottom Layer w1.5: VT12.1@252.74,41 252.75,40.99 R17.1@252.75,37.925 257.025,37.925 257.125,37.825 R30.2@257.125,37.8
NetR17_2: R17.2 R18.2 R19.2 R20.2 TP5.1 VT7.3 VT14.3 | length 93.6
  Bottom Layer w1: VT7.3@281.928,31.9 281.928,35.825 ; 286.8,35.925 286.95,35.775 ; VT14.3@286.878,31.9 286.878,35.904 ; 291.829,35.925 291.9,35.854
  Bottom Layer w1.5: 267.8,35.909 267.816,35.925 ; v2(304.575,11.65) 307.15,14.225 307.15,35.925
  Bottom Layer w1.7: R17.2@252.75,35.925 267.816,35.925 R18.2@272.75,35.925 286.8,35.925 291.829,35.925 R19.2@292.75,35.925 307.15,35.925 R20.2@312.75,35.925
NetR18_1: R18.1 R31.2 VT13.1 | length 7.6
  Bottom Layer w1.5: VT13.1@272.74,41 272.75,40.99 R18.1@272.75,37.925 277.1,37.925 277.2,37.825 R31.2@277.2,37.8
NetR19_1: R19.1 R32.2 VT10.1 | length 7.7
  Bottom Layer w1.5: VT10.1@292.74,41 292.75,40.99 R19.1@292.75,37.925 292.85,37.825 293.309,37.825 293.334,37.8 R32.2@297.3,37.8
NetR20_1: R20.1 R33.2 VT11.1 | length 7.8
  Bottom Layer w1.5: VT11.1@312.74,41 312.75,40.99 R20.1@312.75,37.925 317.3,37.925 317.4,37.825 R33.2@317.4,37.8
NetR21_1: R21.1 VD12.2 | length 2
  Bottom Layer w1: VD12.2@70.7,36.075 R21.1@72.725,36.075
NetR23_1: R23.1 R24.2 VD15.2 | length 16.8
  Bottom Layer w1: VD15.2@275.95,26.825 R24.2@275.95,24.9 276.05,24.8 276.075,24.8 276.225,24.65 285.754,24.65 289.104,28 289.104,28.025 289.129,28.025 R23.1@289.229,28.125
NetR23_2: R23.2 VT7.1 VT14.1 | length 13.7
  Bottom Layer w1: VT7.1@278.903,31.9 278.903,30.661 279.489,30.075 283.753,30.075 ; VT14.1@283.853,31.9 283.853,30.175 283.753,30.075 ; R23.2@289.229,30.125 289.179,30.075 283.753,30.075
NetR24_1: R24.1 T2.3 | length 16.1
  Bottom Layer w1: R24.1@275.95,22.9 275.975,22.875 276.2,22.875 277.9,21.175 286.95,21.175 288,20.125 T2.3@288,17.25
NetR25_1: R25.1 R66.1 | length 96.9
  Top Layer w0.5: v3(175.475,12.1) 186.55,1.025 245.275,1.025 v1(253.675,9.425)
  Bottom Layer w0.5: R66.1@169.422,13.062 174.513,13.062 v3(175.475,12.1) ; v1(253.675,9.425) R25.1@257.825,9.425
NetR25_2: R25.2 R27.2 VT8.1 VT15.1 | length 15
  Bottom Layer w1: R27.2@259.8,6.9 259.8,9.4 R25.2@259.825,9.425 ; 260.4,9.425 264.836,9.425 ; VT15.1@266.7,8.45 265.422,8.45 264.836,9.036 264.836,9.425 ; VT8.1@266.7,13.475 265.422,13.475 264.836,12.889 264.836,9.425
NetR26_1: R26.1 T2.1 TP7.1 | length 10.4
  Bottom Layer w1: T2.1@294,17.25 302.05,17.25 R26.1@302.1,17.3 304.325,17.3 v2(304.35,17.325)
NetR26_2: R26.2 T2.2 TP6.1 | length 21.1
  Bottom Layer w1: T2.2@291,17.25 291,20.275 294.575,23.85 R26.2@299.65,23.85 R26.2@302.1,23.85 302.286,23.664 303.661,23.664 304.5,22.825 v2(304.5,20.2)
NetR28_2: R28.2 R29.1 R35.2 VT16.1 | length 11.1
  Bottom Layer w1.5: R28.2@48.275,34.425 R29.1@48.275,38.05 R35.2@52.775,38.05 52.775,40.965 VT16.1@52.74,41
NetR35_1: R35.1 VD17.2 | length 2.3
  Bottom Layer w1: VD17.2@50.5,35.975 50.575,36.05 R35.1@52.775,36.05
NetR37_1: R37.1 R48.2 VT19.1 | length 7.6
  Bottom Layer w1.5: VT19.1@232.74,41 232.75,40.99 R48.2@232.75,37.9 232.8,37.85 R37.1@237.2,37.85
NetR38_1: R38.1 R49.2 VT22.1 | length 7.6
  Bottom Layer w1.5: VT22.1@172.74,41 172.725,40.985 R49.2@172.725,37.925 172.85,37.8 R38.1@177.225,37.8
NetR39_1: R39.1 R50.2 VT23.1 | length 7.7
  Bottom Layer w1.5: VT23.1@192.74,41 192.7,40.96 R50.2@192.7,37.925 197.125,37.925 197.225,37.825 R39.1@197.225,37.8
NetR40_2: R40.2 R51.2 VT24.1 | length 7.3
  Bottom Layer w1.5: VT24.1@212.74,41 212.775,40.965 R51.2@212.775,37.925 216.85,37.925 216.95,37.825 R40.2@216.95,37.8
NetR41_1: R41.1 R44.1 T1.5 TP14.1 VD19.1 VD24.2 VD26.1 | length 161.5
  Bottom Layer w1: T1.5@18,17.25 20.55,14.7 34.925,14.7 44.75,24.525 108.3,24.525 110.45,26.675 122.975,26.675 123.25,26.95 ; VD19.1@92.8,31 104.975,31 108.225,34.25 R44.1@114.675,34.25 117.625,34.25 123.25,28.625 123.25,22.8 ; VD24.2@120.975,20.525 120.975,20.55 121.2,20.775 121.225,20.775 123.25,22.8 ; v2(126.375,17.15) 126.375,19.675 123.25,22.8
NetR41_2: R41.2 R42.1 R43.2 VT25.1 | length 12.4
  Bottom Layer w1.5: VT25.1@92.74,41 92.75,40.99 R43.2@92.75,37.925 92.775,37.95 94.925,37.95 ; R41.2@94.925,33 94.925,37.95 ; R42.1@97.075,37.95 94.925,37.95
NetR43_1: R43.1 VD19.2 | length 1.5
  Bottom Layer w1: VD19.2@92.75,34.45 R43.1@92.75,35.925
NetR44_2: R44.2 R47.1 R54.2 VT29.1 | length 9.2
  Bottom Layer w1.5: VT29.1@112.74,41 112.725,40.985 R54.2@112.725,37.875 114.9,37.875 ; R44.2@114.675,36.25 114.675,37.65 114.9,37.875 ; R47.1@117.075,37.875 114.9,37.875
NetR45_1: R45.1 T5.1 TP19.1 | length 9.5
  Bottom Layer w0.5: R45.1@221.125,17.25 R45.1@221.175,17.3
  Bottom Layer w1: T5.1@214,17.25 R45.1@221.125,17.25 ; R45.1@221.175,17.3 v2(223.5,17.3)
NetR45_2: R45.2 T5.2 TP18.1 | length 19.1
  Bottom Layer w1: T5.2@211,17.25 211,19.175 215.675,23.85 R45.2@218.725,23.85 R45.2@221.175,23.85 221.175,23.675 221.4,23.45 221.575,23.45 223.55,21.475 v2(223.55,19.9)
NetR46_1: R46.1 R65.1 | length 77.8
  Top Layer w0.5: v3(175.475,14.375) 187.625,2.225 234.675,2.225 v1(240.3,7.85)
  Bottom Layer w0.5: R65.1@171.3,14.4 175.45,14.4 v3(175.475,14.375) ; R46.1@240.275,9.3 240.3,9.275 v1(240.3,7.85)
NetR46_2: R46.2 R55.2 VT21.1 VT27.1 | length 16.2
  Bottom Layer w1: VT21.1@231.375,5.35 231.35,5.375 VT21.1@231.375,5.4 232.464,5.4 233.05,5.986 233.05,9.15 ; VT27.1@231.375,10.375 232.464,10.375 233.05,9.789 233.05,9.15 ; R55.2@238.275,6.125 R46.2@238.275,9.3 233.2,9.3 233.05,9.15
NetR48_1: R48.1 R49.1 R50.1 R51.1 TP16.1 VT20.3 VT28.3 | length 72.7
  Bottom Layer w1.5: v2(172.675,32.5) 172.725,32.55 R49.1@172.725,35.925 R49.1@172.75,35.9 ; VT28.3@202.8,30.85 202.8,35.225 ; 206.75,35.725 206.925,35.9 ; VT20.3@207.75,30.85 207.75,35.397 ; 211.697,35.9 211.7,35.897 ; R48.1@232.75,35.9 R48.1@232.8,35.85
  Bottom Layer w1.7: R49.1@172.75,35.9 206.925,35.9 211.697,35.9 R48.1@232.75,35.9
NetR52_1: R52.1 R53.2 VD22.2 | length 11.7
  Bottom Layer w1.5: VD22.2@193.825,25.425 193.825,23.325 195.875,23.325 R52.1@195.875,30.875
NetR52_2: R52.2 VT20.1 VT28.1 | length 9.6
  Bottom Layer w1: R52.2@197.875,30.875 197.887,30.862 199.713,30.862 VT28.1@199.725,30.85 ; VT28.1@199.775,30.85 199.775,29.711 200.361,29.125 204.139,29.125 204.725,29.711 VT20.1@204.725,30.85
NetR53_1: R53.1 T5.3 | length 14.1
  Bottom Layer w1.5: 196.825,21.3 206.1,21.3 208,19.4 T5.3@208,17.25
NetR54_1: R54.1 VD26.2 | length 6.4
  Bottom Layer w1: VD26.2@106.325,35.85 106.35,35.875 R54.1@112.725,35.875
NetR56_2: R56.2 R59.2 VT26.1 VT30.1 | length 12.3
  Bottom Layer w1: R59.2@86.775,7.475 86.8,7.5 R56.2@88.75,7.5 VT30.1@91.075,7.5 91.075,6.225 91.7,5.6 95.425,5.6 96,6.175 VT26.1@96,7.475
NetR58_1: R58.1 R63.1 T4.3 TP21.1 VD29.2 VD30.1 VD32.1 | length 55.6
  Top Layer w1: T4.3@115,17.25 115,19.4 116.3,20.7 v2(132.775,20.7)
  Bottom Layer w1: VD29.2@114.95,20.25 114.95,17.3 T4.3@115,17.25 ; v2(132.775,20.7) VD32.1@132.775,30.475 132.775,31.15 134.5,32.875 R63.1@134.8,32.875 145.05,32.875 147.5,30.425 R58.1@150.35,30.425 ; R58.1@150.35,30.425 VD30.1@152.725,30.425
NetR58_2: R58.2 R60.1 R61.2 VT31.1 | length 15.1
  Bottom Layer w1.5: R58.2@150.35,32.425 150.35,37.15 151.05,37.85 R61.2@152.725,37.85 ; VT31.1@152.74,41 152.725,40.985 R61.2@152.725,37.85 ; R60.1@157.225,37.8 152.775,37.8 R61.2@152.725,37.85
NetR61_1: R61.1 VD30.2 | length 1.9
  Bottom Layer w1: VD30.2@152.725,33.925 R61.1@152.725,35.85
NetR62_1: R62.1 R63.2 R64.2 VT32.1 | length 10.7
  Bottom Layer w1.5: VT32.1@132.74,41 132.75,40.99 R64.2@132.75,37.65 135.124,37.65 ; R63.2@134.8,34.875 134.8,37.326 135.124,37.65 ; R62.1@137.225,37.675 137.2,37.65 135.124,37.65